# Altium PCB Science.PcbDoc (part 1 of 2) (continued)
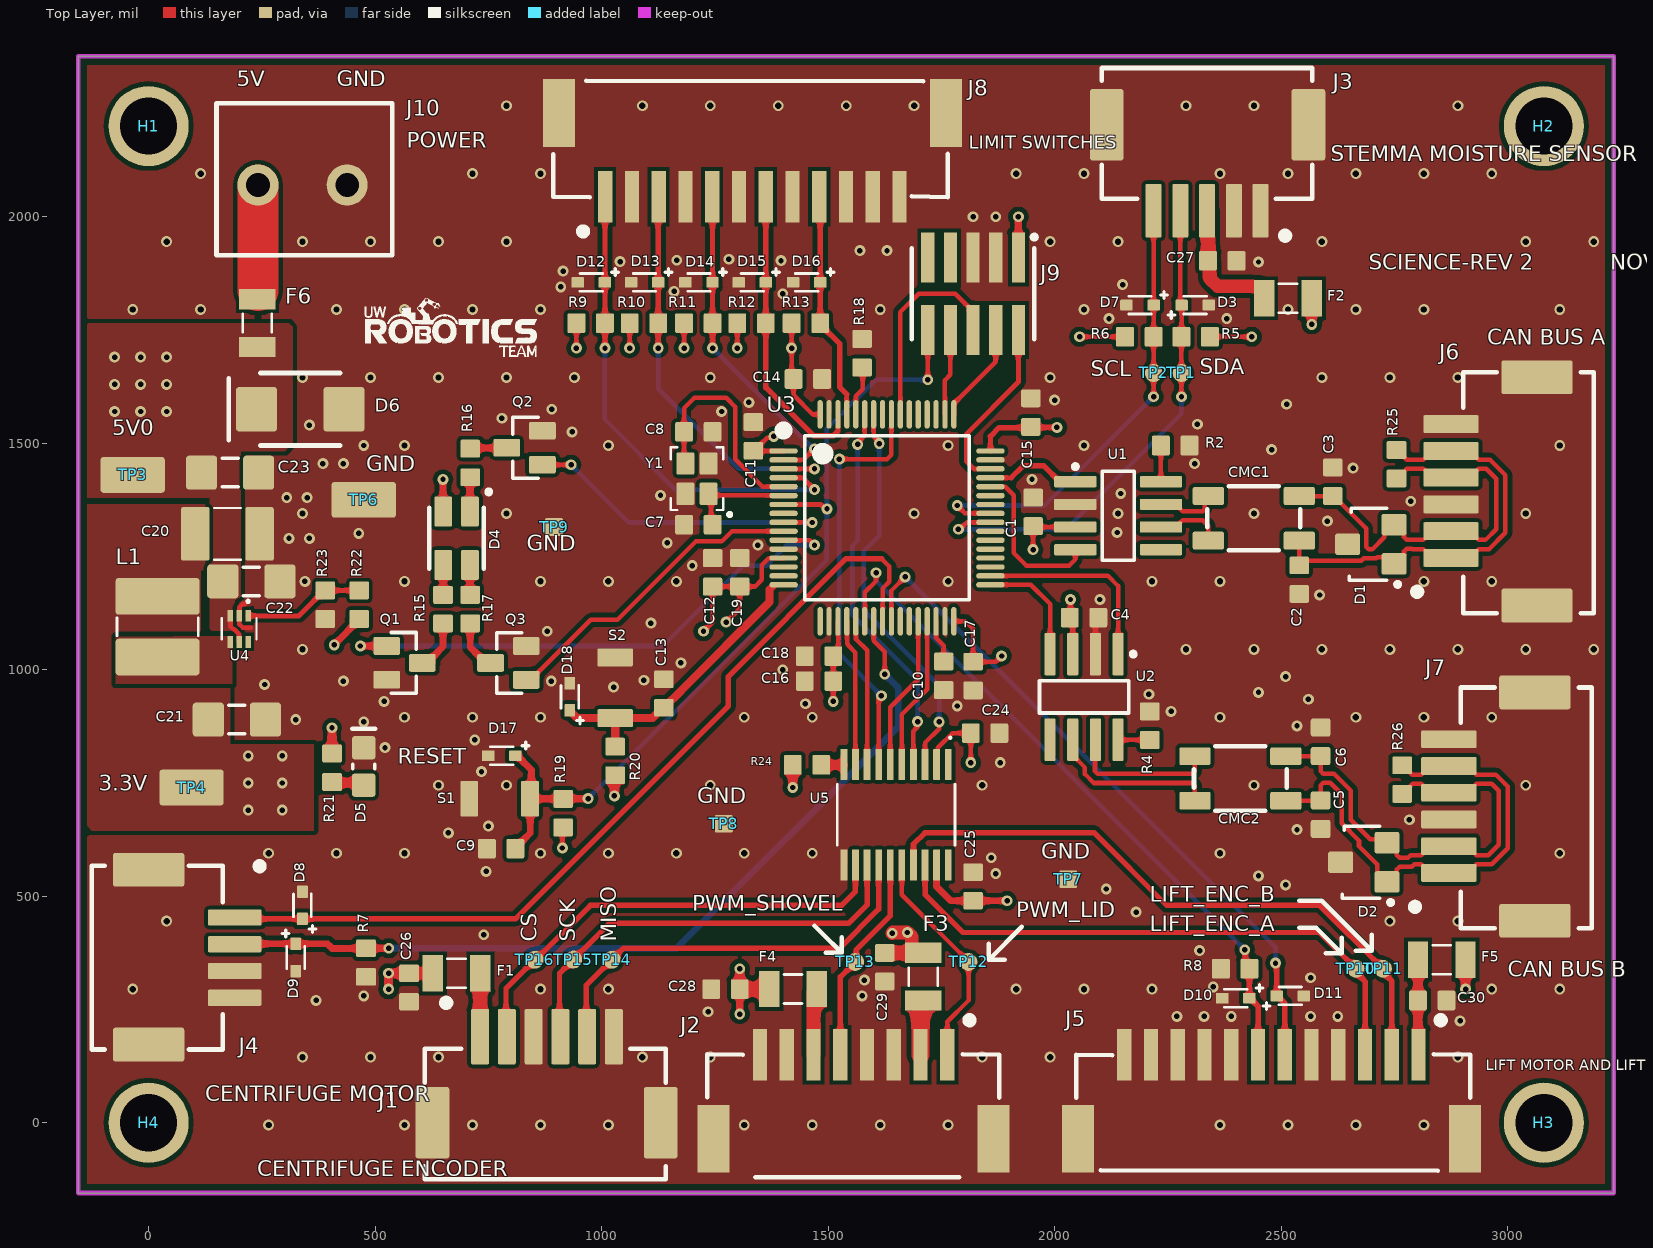
[diagram p0: Top Layer view]
## Components (designator, comment, footprint, x,y, rotation, side; value= is the part's Value field where it differs from the comment)
C1 "CAP_0.1uF_50V_0603" CAP0603 1952.5,1348.5 r90 top value=0.1µF
C2 "CAP_33pF_50V_0603" CAP0603 2540,1199 r90 top value=33pF
C3 "CAP_33pF_50V_0603" CAP0603 2614,1415 r270 top value=33pF
C4 "CAP_0.1uF_50V_0603" CAP0603 2065,1115 r0 top value=0.1µF
C5 "CAP_33pF_50V_0603" CAP0603 2587,680 r90 top value=33pF
C6 "CAP_33pF_50V_0603" CAP0603 2587,841 r270 top value=33pF
C7 "CAP_14pF_50V_0603" CAP0603 1213.5,1320.21 r0 top value=14pF
C8 "CAP_14pF_50V_0603" CAP0603 1213.5,1525.21 r180 top value=14pF
C9 "CAP_1uF_16V_0603" CAP0603 778.34,605 r0 top value=1µF
C10 "CAP_4.7uF_16V_0603" CAP0603 1755,986.7 r90 top value=4.7µF
C11 "CAP_0.1uF_50V_0603" CAP0603 1335,1515 r270 top value=0.1µF
C12 "CAP_1uF_16V_0603" CAP0603 1245,1215 r270 top value=1µF
C13 "CAP_1uF_16V_0603" CAP0603 1137.5,947.5 r270 top value=1µF
C14 "CAP_0.1uF_50V_0603" CAP0603 1455.32,1641.82 r180 top value=0.1µF
C15 "CAP_0.1uF_50V_0603" CAP0603 1947.5,1567.57 r270 top value=0.1µF
C16 "CAP_0.1uF_50V_0603" CAP0603 1480,975 r0 top value=0.1µF
C17 "CAP_0.1uF_50V_0603" CAP0603 1820,986 r90 top value=0.1µF
C18 "CAP_4.7uF_16V_0603" CAP0603 1480,1030 r0 top value=4.7µF
C19 "CAP_10nF_0603" CAP0603 1305,1215 r270 top value=10µF
C20 "CAP_22uF_25V_1210" CAPC3225X270N 174.13,1300 r180 top
C21 "CAP_4.7µF_50V_1206" CAP1206 195,890 r180 top
C22 "CAP_10uF_50V_1206" CAP1206 227.01,1195 r180 top value=10µF
C23 "CAP_4.7µF_50V_1206" CAP1206 180,1435 r180 top
C24 "CAP_0.1uF_50V_0603" CAP0603 1846.5,860 r180 top value=0.1µF
C25 "CAP_0.1uF_50V_0603" CAP0603 1820,521.5 r270 top value=0.1µF
C26 "CAP_0.1uF_50V_0603" CAP0603 575,298.5 r90 top value=0.1µF
C27 "CAP_0.1uF_50V_0603" CAP0603 2370,1902.5 r180 top value=0.1µF
C28 "CAP_0.1uF_50V_0603" CAP0603 1273.5,295 r0 top value=0.1µF
C29 "CAP_0.1uF_50V_0603" CAP0603 1625,343.5 r90 top value=0.1µF
C30 "CAP_0.1uF_50V_0603" CAP0603 2833.5,270 r180 top value=0.1µF
CMC1 "CMC_51uH" 744212510 2439.61,1334.21 r0 top
CMC2 "CMC_51uH" 744212510 2410,760 r0 top
D1 "TVS_DIODE_CAN" TVS_DIODE_CAN 2698,1277 r180 top
D2 "TVS_DIODE_CAN" TVS_DIODE_CAN 2682.5,575 r180 top
D3 "ESD5Z3.3T1G" SOD523_UNI 2310,1805 r180 top
D4 "LED_RGB" LED_RGB 680,1290.21 r180 top
D5 "LG R971-KN-1" LED_0805_GREEN 475,786.55 r90 top
D6 "TVS_DIODE_UNIDIR_5V" SMBJ5.0A 335,1575 r0 top
D7 "ESD5Z3.3T1G" SOD523_UNI 2188.63,1805 r0 top
D8 "ESD5Z3.3T1G" SOD523_UNI 339.68,480 r270 top
D9 "ESD5Z3.3T1G" SOD523_UNI 325,365 r90 top
D10 "ESD5Z3.3T1G" SOD523_UNI 2400,275 r0 top
D11 "ESD5Z3.3T1G" SOD523_UNI 2520,280 r180 top
D12 "ESD5Z3.3T1G" SOD523_UNI 977.5,1855 r0 top
D13 "ESD5Z3.3T1G" SOD523_UNI 1095,1855 r0 top
D14 "ESD5Z3.3T1G" SOD523_UNI 1215,1855 r0 top
D15 "ESD5Z3.3T1G" SOD523_UNI 1332.66,1855 r0 top
D16 "ESD5Z3.3T1G" SOD523_UNI 1452.66,1855 r0 top
D17 "ESD5Z3.3T1G" SOD523_UNI 780,810.21 r0 top
D18 "ESD5Z3.3T1G" SOD523_UNI 930,940.21 r270 top
F1 "FUSE_250mA_1206" FUSE_1206 680,330 r180 top
F2 "FUSE_250mA_1206" FUSE_1206 2515,1820 r0 top
F3 "FUSE_1.5A_1206" FUSE_1206 1710,322.5 r270 top
F4 "FUSE_1.5A_1206" FUSE_1206 1422.5,295.21 r0 top
F5 "FUSE_250mA_1206" FUSE_1206 2854.51,360 r0 top
F6 "FUSE_8A_1206" FUSE_1206 240,1765 r270 top
H1 "MOUNTING_HOLE_M3" MOUNTING_HOLE_3mm_SCIENCE_REV2 0,2200 r0 top
H2 "MOUNTING_HOLE_M3" MOUNTING_HOLE_3mm_SCIENCE_REV2 3080,2200 r0 top
H3 "MOUNTING_HOLE_M3" MOUNTING_HOLE_3mm_SCIENCE_REV2 3080,0 r0 top
H4 "MOUNTING_HOLE_M3" MOUNTING_HOLE_3mm_SCIENCE_REV2 0,0 r0 top
J1 "CON_6M_SM_RA_1.5mm" MOLEX-5025850670 731.89,190 r180 top
J2 "CON_8M_SM_RA" MOLEX-5025850870 1349.72,150 r180 top
J3 "CON_5M_SM_RA" MOLEX-5025850570 2454.69,2013.24 r0 top
J4 "CON_4M_SM_RA" MOLEX-5025850470 190,453.11 r90 top
J5 "CON_12M_SM_RA" MOLEX-5025851270 2153.78,150 r180 top
J6 "CON_6M_SM_RA_1.5mm" MOLEX-5025850670 2875,1246.89 r270 top
J7 "CON_6M_SM_RA_1.5mm" MOLEX-5025850670 2870.24,551.38 r270 top
J8 "CON_12M_SM_RA" MOLEX-5025851270 1657.64,2043.96 r0 top
J9 "CON_PROGRAMMING" FTSH-105-01-F-DV-K-P-TR 1820,1830 r180 top
J10 "1935161" 1935161 340,2070 r180 top
L1 "IND_1uH_3.8A" IND_BOURNS_SDR04 20,1095 r90 top value=1uH
Q1 "NMOS_30V_2.2A" NMOS_SSOT-3 565,1015.21 r270 top
Q2 "NMOS_30V_2.2A" NMOS_SSOT-3 830,1490 r90 top
Q3 "NMOS_30V_2.2A" NMOS_SSOT-3 794.37,1015 r90 top
R2 "RES_0Ω_0603" RESC0603(1608)_N 2297.5,1495 r180 top value=0¥Ø
R4 "RES_0Ω_0603" RESC0603(1608)_N 2210,907.99 r270 top value=0¥Ø
R5 "RES_1kΩ_0603" RESC0603(1608)_N 2279.79,1735 r0 top value=1k¥Ø
R6 "RES_1kΩ_0603" RESC0603(1608)_N 2218.46,1735 r180 top value=1k¥Ø
R7 "RES_10kΩ_0603" RESC0603(1608)_N 480,322.22 r90 top value=10k¥Ø
R8 "RES_10kΩ_0603" RESC0603(1608)_N 2367.01,340 r0 top value=10k¥Ø
R9 "RES_10kΩ_0603" RESC0603(1608)_N 1007.5,1765 r180 top value=10k¥Ø
R10 "RES_10kΩ_0603" RESC0603(1608)_N 1125,1765.21 r180 top value=10k¥Ø
R11 "RES_10kΩ_0603" RESC0603(1608)_N 1245,1765 r180 top value=10k¥Ø
R12 "RES_10kΩ_0603" RESC0603(1608)_N 1362.5,1765 r180 top value=10k¥Ø
R13 "RES_10kΩ_0603" RESC0603(1608)_N 1482.5,1765 r180 top value=10k¥Ø
R15 "RES_20Ω_0603" RESC0603(1608)_N 650,1165.21 r270 top value=20¥Ø
R16 "RES_120Ω_0603" RESC0603(1608)_N 710,1487.99 r270 top value=120¥Ø
R17 "RES_20Ω_0603" RESC0603(1608)_N 710,1165.21 r270 top value=20¥Ø
R18 "RES_1kΩ_0603" RESC0603(1608)_N 1575,1667.01 r90 top value=1k¥Ø
R19 "RES_10kΩ_0603" RESC0603(1608)_N 915,715 r270 top value=10k¥Ø
R20 "RES_10kΩ_0603" RESC0603(1608)_N 1030,830.21 r270 top value=10k¥Ø
R21 "RES_120Ω_0603" RESC0603(1608)_N 405,752.22 r90 top value=120¥Ø
R22 "RES_453kΩ_0603" RESC0603(1608)_N 465,1175 r270 top value=453k¥Ø
R23 "RES_100kΩ_0603_1%" RESC0603(1608)_N 390,1112.01 r90 top value=100k¥Ø
R24 "RES_10kΩ_0603" RESC0603(1608)_N 1422.01,790 r0 top value=10k¥Ø
R25 "RES_120Ω_0603" RESC0603(1608)_N 2754.59,1422.01 r90 top value=120¥Ø
R26 "RES_120Ω_0603" RESC0603(1608)_N 2767,726.01 r90 top value=120¥Ø
S1 "SW_TACTILE" B3U-1000P 775,715.21 r180 top
S2 "SW_TACTILE" B3U-1000P 1030,960.21 r270 top
TP1 "TESTPOINT_1MM_CIRCLE" TESTPOINT_CIRCLE_1MM 2279.79,1655 r180 top
TP2 "TESTPOINT_1MM_CIRCLE" TESTPOINT_CIRCLE_1MM 2218.46,1655 r180 top
TP3 "TESTPOINT_SMD_LOOP" S1751-46R -35,1430 r0 top
TP4 "TESTPOINT_SMD_LOOP" S1751-46R 95,740 r0 top
TP6 "TESTPOINT_SMD_LOOP" S1751-46R 475,1375 r0 top
TP7 "TESTPOINT_1MM_SQUARE" TESTPOINT_SQUARE_1MM 2030,537.5 r90 top
TP8 "TESTPOINT_1MM_SQUARE" TESTPOINT_SQUARE_1MM 1270,660 r90 top
TP9 "TESTPOINT_1MM_SQUARE" TESTPOINT_SQUARE_1MM 895,1315 r90 top
TP10 "TESTPOINT_1MM_CIRCLE" TESTPOINT_CIRCLE_1MM 2665,340 r270 top
TP11 "TESTPOINT_1MM_CIRCLE" TESTPOINT_CIRCLE_1MM 2725,340 r270 top
TP12 "TESTPOINT_1MM_CIRCLE" TESTPOINT_CIRCLE_1MM 1810,355 r270 top
TP13 "TESTPOINT_1MM_CIRCLE" TESTPOINT_CIRCLE_1MM 1560,355 r270 top
TP14 "TESTPOINT_1MM_CIRCLE" TESTPOINT_CIRCLE_1MM 1022.5,360 r270 top
TP15 "TESTPOINT_1MM_CIRCLE" TESTPOINT_CIRCLE_1MM 937.5,360.21 r270 top
TP16 "TESTPOINT_1MM_CIRCLE" TESTPOINT_CIRCLE_1MM 852.5,360 r270 top
U1 "IC TXRX CAN" LT-S8_N 2140.21,1340 r0 top
U2 "IC TXRX CAN" LT-S8_N 2065,940 r270 top
U3 "STM32F446RET6" STM-LQFP64_L 1630,1335.21 r0 top
U4 "TLV62568ADRLR" SOT50P160X60-6N 200,1090.21 r270 top
U5 "TXS0108EPWR" LEVEL_SHIFTER_8_CHANNEL 1650,680 r270 top
Y1 "CRYSTAL_25MHZ" SOIC254P1016X440-4N 1210.59,1421.74 r90 top

## Footprints (in the part's own frame and the unit in brackets; to place one, negate y for a bottom-side part, rotate by r counter-clockwise, add the part's x,y. Pads: shape width x height; smd on the part's side, far side on the other; paste and mask are expansions set on the pad)
1935161 [mm] "TERM BLK 2POS SIDE ENTRY 5MM PCB"
  round 2.3 hole 1.325: 1(-2.5,0) 2(2.5,0)
  silkscreen extent -5.01,-4.57 4.83,3.94, body extent -5.01,-5.06 5.39,3.94, height 11.41
744212510 [mm] "CMC HORIZONTAL 4 J-LEAD"
  rrect20% 1.75x1 smd: 1(-2.55,-1.25) 3(-2.55,1.25) 4(2.55,1.25) 5(2.55,-1.25)
  silkscreen extent -2.6,-1.8 2.6,1.8, body extent -2.6,-1.8 2.6,1.8, height 1.67
B3U-1000P [mm] "TACTILE SWITCH GREY"
  rrect15% 1x2 smd: 1(-1.7,0) 2(1.7,0)
  body extent -2,-1.25 2,1.25, height 1.6
CAP0603 [mm]
  rrect20% 1x1.1 smd: 1(-0.8,0) 2(0.8,0)
  body extent -0.87,-0.48 0.88,0.48, height 0.87
CAP1206 [mm] "Chip Capacitor, Body 3.2x1.6mm, Height 0.55mm, IPC Medium Density"
  rrect20% 1.75x1.9 smd: 1(-1.6,0) 2(1.6,0)
  silkscreen extent -0.45,-0.8 0.45,0.8, body extent -1.7,-0.9 1.7,0.9, height 0.88
CAPC3225X270N [mm]
  rrect15% 1.6x3 smd: 1(-1.8,0) 2(1.8,0)
  silkscreen extent -0.75,-1.45 0.75,1.45, body extent -1.6,-1.35 1.6,1.35, height 2.55
FTSH-105-01-F-DV-K-P-TR [mil] "Samtec programming header 10 positions"
  rect 29x110 smd mask+2: 1(-100,-80) 2(-100,80) 3(-50,-80) 4(-50,80) 5(0,-80) 6(0,80) 7(50,-80) 8(50,80) 9(100,-80) 10(100,80)
  silkscreen extent -140,-130 135,100, body extent -125,-115 125,175, height 276
FUSE_1206 [mil]
  rect 45x80 smd mask+1: 1(-52.5,0) 2(52.5,0)
  silkscreen extent -20,-32 20,32, body extent -65,-32 65,32, height 32
IND_BOURNS_SDR04 [mm] "SDR0403 Series - SMD Power Inductors"
  rrect15% 2.05x4.7 smd paste+0 mask+0.102: 1(-1.7,0) 2(1.7,0)
  silkscreen extent -0.5,-2.27 0.5,2.27, body extent -2.25,-2.25 2.25,2.25, height 3.2
LED_0805_GREEN [mm] "SMD, 2-Leads, Body 2x1.25mm"
  rrect20% 1.3x1.3 smd: 1(-1.05,0) 2(1.05,0)
  silkscreen extent -0.13,-0.63 2.11,0.64, body extent -1,-0.62 1,0.63, height 1.12
LED_RGB [mm]
  rrect20% 1x1.7 smd: 1(-0.75,-1.5) 2(-0.75,1.5) 3(0.75,1.5) 4(0.75,-1.5)
  silkscreen extent -1.92,-2.72 1.53,1.7, body extent -1.4,-1.75 1.4,1.75, height 1.89
LEVEL_SHIFTER_8_CHANNEL [mm]
  rrect15% 1.75x0.38 smd: 1(-2.819,2.925) 2(-2.819,2.275) 3(-2.819,1.625) 4(-2.819,0.975) 5(-2.819,0.325) 6(-2.819,-0.325) 7(-2.819,-0.975) 8(-2.819,-1.625) 9(-2.819,-2.275) 10(-2.819,-2.925) 11(2.819,-2.925) 12(2.819,-2.275) 13(2.819,-1.625) 14(2.819,-0.975) 15(2.819,-0.325) 16(2.819,0.325) 17(2.819,0.975) 18(2.819,1.625) 19(2.819,2.275) 20(2.819,2.925)
  silkscreen extent -4.32,-3.3 1.71,3.3, body extent -3.3,-3.3 3.3,3.3, height 1.2
LT-S8_N [mm] "SOP, 8-Leads, Body 4.9x3.9mm, Pitch 1.27mm, IPC Medium Density"
  rrect20% 2.375x0.625 smd: 1(-2.4,1.905) 2(-2.4,0.635) 3(-2.4,-0.635) 4(-2.4,-1.905) 5(2.4,-1.905) 6(2.4,-0.635) 7(2.4,0.635) 8(2.4,1.905)
  silkscreen extent -2.52,-2.5 0.9,2.88, body extent -2.91,-2.4 2.87,2.5, height 1.45
MOLEX-5025850470 [mm] "CLIK-Mate, Surface Mount, Right Angle, 1.5mm pitch"
  rrect15% 1.9x4 smd: 0(-7.125,4.82) 0(2.675,4.82)
  rrect15% 0.9x3 smd: 1(0,0) 2(-1.5,0) 3(-3,0) 4(-4.5,0)
  silkscreen extent -7.4,-1.6 3.07,8, body extent -7.45,-0.62 2.85,7.88, height 6.41
MOLEX-5025850570 [mm]
  rrect15% 1.9x4 smd: 0(-8.625,4.82) 0(2.675,4.82)
  rrect15% 0.9x3 smd: 1(0,0) 2(-1.5,0) 3(-3,0) 4(-4.5,0) 5(-6,0)
  silkscreen extent -8.9,-1.6 2.9,8, body extent -8.9,-0.5 2.9,8, height 6.21
MOLEX-5025850670 [mm]
  rrect15% 1.9x4 smd: 0(-10.125,4.82) 0(2.675,4.82)
  rrect15% 1x3.1 smd: 1(0,0) 2(-1.5,0) 3(-3,0) 4(-4.5,0) 5(-6,0) 6(-7.5,0)
  silkscreen extent -10.4,-2.1 3.1,8, body extent -10.25,-0.62 3.05,7.88, height 6.41
MOLEX-5025850870 [mm]
  rect 1.8x3.8 smd: 0(-13.1,4.7) 0(2.6,4.7)
  rect 0.8x2.9 smd: 1(-10.5,0) 2(-9,0) 3(-7.5,0) 4(-6,0) 5(-4.5,0) 6(-3,0) 7(-1.5,0) 8(0,0)
  silkscreen extent -13.4,-2.14 2.97,6.86, body extent -13.23,-1.26 3.07,7.24, height 6.41
MOLEX-5025851270 [mm]
  rect 1.8x3.8 smd: 0(-19.1,4.7) 0(2.6,4.7)
  rect 0.8x2.9 smd: 1(-16.5,0) 2(-15,0) 3(-13.5,0) 4(-12,0) 5(-10.5,0) 6(-9,0) 7(-7.5,0) 8(-6,0) 9(-4.5,0) 10(-3,0) 11(-1.5,0) 12(0,0)
  silkscreen extent -19.4,-2.14 2.69,6.5, body extent -19.35,-1.1 2.95,7.4, height 6.41
MOUNTING_HOLE_3mm_SCIENCE_REV2 [mm] "3mm Hole"
  round 4.5 / inner round 4.5 / far side round 6 hole 3.2 mask+0.3: 0(0,0)
NMOS_SSOT-3 [mm]
  rrect20% 1x1.5 smd: 1(-0.95,-1) 2(0.95,-1) 3(0,1)
  silkscreen extent -1.7,-0.75 1.7,0.66, body extent -1.46,-1.41 1.46,1.1, height 1.12
RESC0603(1608)_N [mm] "Chip Resistor, Body 1.6x0.8mm, IPC Medium Density"
  rrect15% 1x1.1 smd: 1(0,0) 2(1.6,0)
  body extent 0,-0.4 1.6,0.4, height 0.46
S1751-46R [mm] "SMD LOOP TESTPOINT"
  rrect15% 3.6x2 smd: 1(0,0)
  body extent -1.63,-0.85 1.62,0.8, height 2.01
SMBJ5.0A [mm] "9.2V Clamp 65.3A Ipp Tvs Diode Surface Mount SMB (DO-214AA)"
  rrect15% 2.3x2.5 smd: 1(-2.45,0) 2(2.45,0)
  silkscreen extent -4,-2.03 2.25,2.03, body extent -2.7,-1.8 2.7,1.8, height 2.27
SOD523_UNI [mm]
  rrect15% 0.7x0.6 smd: 1(-0.762,0) 2(0.758,0)
  silkscreen extent -0.64,-0.5 1.52,0.76, body extent -0.8,-0.4 0.8,0.4, height 0.7
SOIC254P1016X440-4N [mm]
  rrect15% 1.25x1 smd: 1(-0.85,-0.65) 2(0.85,-0.65) 3(0.85,0.65) 4(-0.85,0.65)
  silkscreen extent -2.11,-1.93 1.75,1.47, body extent -1.24,-0.85 1.24,0.85, height 0.56
SOT50P160X60-6N [mm]
  rect 0.66x0.31 smd: 1(-0.735,0.5) 2(-0.735,0) 3(-0.735,-0.5) 4(0.735,-0.5) 5(0.735,0) 6(0.735,0.5)
  silkscreen extent -1.62,-0.97 0.6,0.97, body extent -0.8,-0.8 0.8,0.8, height 0.6
STM-LQFP64_L [mm] "QFP, 64-Leads, Body 10x10mm, Pitch 0.5mm, IPC High Density"
  oval 1.6x0.3 smd: 1(-5.8,3.75) 2(-5.8,3.25) 3(-5.8,2.75) 4(-5.8,2.25) 5(-5.8,1.75) 6(-5.8,1.25) 7(-5.8,0.75) 8(-5.8,0.25) 9(-5.8,-0.25) 10(-5.8,-0.75) 11(-5.8,-1.25) 12(-5.8,-1.75) 13(-5.8,-2.25) 14(-5.8,-2.75) 15(-5.8,-3.25) 16(-5.8,-3.75) 33(5.8,-3.75) 34(5.8,-3.25) 35(5.8,-2.75) 36(5.8,-2.25) 37(5.8,-1.75) 38(5.8,-1.25) 39(5.8,-0.75) 40(5.8,-0.25) 41(5.8,0.25) 42(5.8,0.75) 43(5.8,1.25) 44(5.8,1.75) 45(5.8,2.25) 46(5.8,2.75) 47(5.8,3.25) 48(5.8,3.75)
  oval 0.3x1.6 smd: 17(-3.75,-5.8) 18(-3.25,-5.8) 19(-2.75,-5.8) 20(-2.25,-5.8) 21(-1.75,-5.8) 22(-1.25,-5.8) 23(-0.75,-5.8) 24(-0.25,-5.8) 25(0.25,-5.8) 26(0.75,-5.8) 27(1.25,-5.8) 28(1.75,-5.8) 29(2.25,-5.8) 30(2.75,-5.8) 31(3.25,-5.8) 32(3.75,-5.8) 49(3.75,5.8) 50(3.25,5.8) 51(2.75,5.8) 52(2.25,5.8) 53(1.75,5.8) 54(1.25,5.8) 55(0.75,5.8) 56(0.25,5.8) 57(-0.25,5.8) 58(-0.75,5.8) 59(-1.25,5.8) 60(-1.75,5.8) 61(-2.25,5.8) 62(-2.75,5.8) 63(-3.25,5.8) 64(-3.75,5.8)
  silkscreen extent -5.92,-4.6 4.6,5.02, body extent -5.98,-6 6.02,6, height 1.56
TESTPOINT_CIRCLE_1MM [mm]
  round 1 smd: 1(0,0)
TESTPOINT_SQUARE_1MM [mm]
  rrect20% 1x1 smd: 1(0,0)
TVS_DIODE_CAN [mm] "SOT23, 3-Leads, Body 2.95x2.80mm, Pitch 0.95mm, IPC Low Density"
  rrect20% 1.4x1.2 smd: 1(-1.3,1.1) 2(-1.3,-1.1) 3(1.3,0)
  silkscreen extent -1.63,-2.02 1.22,2.37, body extent -1.4,-1.45 1.4,1.45, height 1.3

## Part data
C1 C4 C11 C14 C15 C16 C17 C24 C25 C26 C27 C28 C29 C30: "CAP CER 0.1UF 50V X7R 0603", Case Code (Imperial)=0603, Case Code (Metric)=1608, Dielectric=X7R, Manufacturer 1=Yageo, Manufacturer Part Number 1=CC0603KRX7R9BB104, Package="0603 (1608 Metric)", Supplier Part Number 1=311-1344-1-ND, Voltage Rating=50V, Dimensions="0.063\" L x 0.031\" W (1.60mm x 0.80mm)", Mount="Surface Mount", Supplier 1=Digi-Key, Temperature Coefficient=X7R
C2 C3 C5 C6: "CAP CER 33PF 50V C0G/NP0", Case Code (Imperial)=0603, Case Code (Metric)=1608, Dielectric=C0G, Dielectric Material=Ceramic, Insulation Resistance=100GR, Manufacturer 1=Yageo, Manufacturer Part Number 1=CC0603JRNPO9BN330, Max Operating Temperature=125°C, Min Operating Temperature=-55°C, Supplier Part Number 1=311-1064-1-ND, Temperature Coefficient=30ppm/°C, Tolerance=5%, Voltage=50V, ComponentLink7Description=https://datasheet.ciiva.com/11464/upy-gp-np0-16v-to-50v-8-11464730.pdf?src-supplier=Avnet, ComponentLink7URL=https://datasheet.ciiva.com/11464/upy-gp-np0-16v-to-50v-8-11464730.pdf?src-supplier=Avnet, ComponentLink8Description=https://datasheet.ciiva.com/46430/1835847-46430155.pdf?src-supplier=Element14, ComponentLink8URL=https://datasheet.ciiva.com/46430/1835847-46430155.pdf?src-supplier=Element14, ComponentLink9Description=https://datasheet.ciiva.com/144/mlccorderingcode-144644.pdf?src-supplier=Digi-Key, ComponentLink9URL=https://datasheet.ciiva.com/144/mlccorderingcode-144644.pdf?src-supplier=Digi-Key, ComponentLink10Description=https://datasheet.ciiva.com/5426/upy-gp-np0-16v-to-50v-8-5426614.pdf?src-supplier=Mouser, ComponentLink10URL=https://datasheet.ciiva.com/5426/upy-gp-np0-16v-to-50v-8-5426614.pdf?src-supplier=Mouser, ComponentLink11Description=https://datasheet.ciiva.com/7978/1443161-7978142.pdf?src-supplier=Element14, ComponentLink11URL=https://datasheet.ciiva.com/7978/1443161-7978142.pdf?src-supplier=Element14, Composition=Ceramic, Depth=0.8mm, Height=0.8mm, Length=1.6mm, Mount="Surface Mount", Number of Pins=2, Package=0603, REACH SVHC="No SVHC", Supplier 1=Digi-Key, Termination=SMD/SMT, Thickness=0.035inch, Voltage Rating=50V, Voltage Rating (DC)=50V, Width=0.031inch
C7 C8: "CAP CER 14PF 50V C0G/NP0 0603", Case Code (Imperial)=0603, Case Code (Metric)=1608, Dielectric=C0G, Manufacturer 1=Samsung, Manufacturer Part Number 1=CL10C140JB8NNNC, Max Operating Temperature=125°C, Min Operating Temperature=-55°C, Package="0603 (1608 Metric)", Supplier Part Number 1=1276-2187-1-ND, Tolerance=5%, Voltage Rating=50V, Depth=0.8mm, Height=0.8mm, Length=1.6mm, Mount="Surface Mount", Supplier 1=Digi-Key, Thickness=0.035inch, Voltage Rating (DC)=50V, Width=0.031inch
C9 C12 C13: "CAP CER 1UF 16V Y5V 0603", Case Code (Imperial)=0603, Case Code (Metric)=1608, Dielectric=Y5V, Manufacturer 1=Yageo, Manufacturer Part Number=CC0603ZRY5V7BB105, Package="0603 (1608 Metric)", Supplier Part Number 1=311-1372-1-ND, Voltage Rating=16V, Dimensions="0.063\" L x 0.031\" W (1.60mm x 0.80mm)", Manufacturer Part Number 1=CC0603ZRY5V7BB105, Mount="Surface Mount", Supplier 1=Digi-Key, Temperature Coefficient=Y5V
C10 C18: "CAP CER 4.7UF 16V X6S 0603", Case Code (Imperial)=0603, Dielectric=X6S, Manufacturer 1="Murata Electronics", Manufacturer Part Number 1=GRM188C81C475KE11D, Package="0603 (1608 Metric)", Supplier Part Number 1=490-13362-1-ND, Voltage Rating=16V, Mount="Surface Mount", Supplier 1=Digi-Key
C19: "CAP CER 10000PF 16V X7R 0603", Case Code (Imperial)=0603, Case Code (Metric)=1608, Dielectric=X7R, Manufacturer 1=Yageo, Manufacturer Part Number 1=CC0603KRX7R7BB103, Package="0603 (1608 Metric)", Supplier Part Number 1=311-3369-1-ND, Voltage Rating=16V, Dimensions="0.063\" L x 0.031\" W (1.60mm x 0.80mm)", Mount="Surface Mount", Supplier 1=Digi-Key, Temperature Coefficient=X7R
C20: "CAP CER 22UF 25V X7R 1210", Capacitance=22uF, Manufacturer 1="Murata Electronics", Manufacturer Part Number 1=GRM32ER71E226ME15K, Package="1210 (3225 Metric)", Supplier Part Number 1=490-14682-1-ND, Temperature Coefficient=X7R, Tolerance=?0%, Voltage=25V, Supplier 1=Digi-Key
C21 C23: "CAP CER 4.7UF 50V X7R 1206", Capacitance=4.7uF, Dielectric=X7R, Manufacturer 1=Murata, Manufacturer Part Number 1=GRM31CR71H475KA12L, Max Operating Temperature=125°C, Min Operating Temperature=-55°C, Package=1206, Supplier Part Number 1=490-6521-1-ND, Tolerance=10%, Voltage=50V, Material=Ceramic, Mount="Surface Mount", Supplier 1=Digi-Key, Termination=SMD/SMT, Voltage Rating=50V
C22: "CAP CER 10UF 50V X5R 1206", Case Code (Imperial)=1206, Case Code (Metric)=3216, Dielectric=X5R, Manufacturer 1=Murata, Manufacturer Part Number 1=GRT31CR61H106KE01L, Package="1206 (3216 Metric)", Supplier Part Number 1=490-12456-1-ND, Voltage Rating=50V, Dimensions="0.126\" L x 0.063\" W (3.20mm x 1.6mm)", Manufacturer Part Numer 1=GRT31CR61H106KE01L, Mount="Surface Mount", Supplier 1=Digi-Key
CMC1 CMC2: "CMC 51uH 300MA 2LN SMD", Case/Package=SMD/SMT, Current=300mA, DC Resistance (DCR)=160mR, Inductance=51uH, Inductance Tolerance=50%, Manufacturer 1="Wurth Electronics", Manufacturer Part Number 1=744212510, Max Operating Temperature=105°C, Min Operating Temperature=-40°C, Supplier Part Number 1=732-3941-1-ND, Test Frequency=100kHz, Voltage Rating (DC)=80V, ComponentLink7Description=https://datasheet.ciiva.com/6216/744212510-6216348.pdf?src-supplier=Digi-Key, ComponentLink7URL=https://datasheet.ciiva.com/6216/744212510-6216348.pdf?src-supplier=Digi-Key, ComponentLink8Description=https://datasheet.ciiva.com/7764/1735560-7764951.pdf?src-supplier=Element14, ComponentLink8URL=https://datasheet.ciiva.com/7764/1735560-7764951.pdf?src-supplier=Element14, Core Material=Ferrite, Current Rating=300mA, Depth=3.6mm, Height=1.65mm, Impedance=300R, Length=6.5mm, Max DC Current=300mA, Mount="Surface Mount", Number of Lines=2, Number of Pins=4, REACH SVHC="No SVHC", Supplier 1=Digi-Key, Termination=SMD/SMT, Tolerance=50%, Width=0.142inch
D1 D2: "TVS DIODE 24V 41V SOT323-3", Manufacturer 1="Nexperia USA Inc.", Manufacturer Part Number 1=PESD2CAN,215, Package="SC-70, SOT-323", Supplier Part Number 1=1727-3891-1-ND, Mount="Surface Mount", Supplier 1=Digi-Key
D3 D7 D8 D9 D10 D11 D12 D13 D14 D15 D16 D17 D18: "ESD5Z3.3T1G,SOD523 ESD DIODE < AZ", Breakdown Voltage=5V, Capacitance=105pF, Case/Package=SOD-523-2, Clamping Voltage=14.1V, Leakage Current=50nA, Manufacturer 1="ON Semiconductor", Max Operating Temperature=150°C, Max Power Dissipation=200mW, Max Surge Current=11.2A, Min Operating Temperature=-55°C, Operating Supply Voltage=3.3V, Peak Pulse Power=158W, Power Line Protection=No, Supplier Part Number 1=ESD5Z3.3T1GOSCT-ND, Test Current=1mA, Category="ESD and Circuit Protection ICs", ComponentLink7Description=https://datasheet.ciiva.com/3304/esd5z2-5t1-d-3304008.pdf?src-supplier=Avnet, ComponentLink7URL=https://datasheet.ciiva.com/3304/esd5z2-5t1-d-3304008.pdf?src-supplier=Avnet, ComponentLink8Description=https://datasheet.ciiva.com/339/esd5z2-5t1-d-339753.pdf?src-supplier=Digi-Key, ComponentLink8URL=https://datasheet.ciiva.com/339/esd5z2-5t1-d-339753.pdf?src-supplier=Digi-Key, ComponentLink9Description=https://datasheet.ciiva.com/22637/1878252-22637179.pdf?src-supplier=Element14, ComponentLink9URL=https://datasheet.ciiva.com/22637/1878252-22637179.pdf?src-supplier=Element14, ComponentLink10Description=https://datasheet.ciiva.com/16472/esd5z2-5t1-d-16472397.pdf?src-supplier=Avnet+Asia, ComponentLink10URL=https://datasheet.ciiva.com/16472/esd5z2-5t1-d-16472397.pdf?src-supplier=Avnet+Asia, ComponentLink11Description=https://datasheet.ciiva.com/22637/1878252-22637181.pdf?src-supplier=Element14, ComponentLink11URL=https://datasheet.ciiva.com/22637/1878252-22637181.pdf?src-supplier=Element14, Composition=Zener, Contact Plating=Tin,Matte, Depth=0.8mm, Direction=Unidirectional, Element Configuration=Single, ESD Protection=Yes, Halogen Free="Halogen Free", Height=0.6mm, Length=1.2mm, Manufacturer Part Number 1=ESD5Z3.3T1G, Max Breakdown Voltage=5V, Max Reverse Leakage Current=50nA, Min Breakdown Voltage=5V, Number of Channels=1, Number of Elements=1, Number of Lines=1, Number of Pins=2, Number of Unidirectional Channels=1, Peak Pulse Current=11.2A, Polarity=Unidirectional, REACH SVHC="No SVHC", Reverse Breakdown Voltage=5V, Reverse Standoff Voltage=3.3V, Supplier 1=Digi-Key, Termination=SMD/SMT, Width=0.8mm, Working Voltage=3.3V
D4: "LED RGB DIFFUSED 4PLCC SMD", Case/Package=PLCC, Color=Blue,Green,Red, Forward Voltage=3.1V, Lens Color=White, Manufacturer 1=Broadcom, Manufacturer Part Number 1=ASMB-MTB1-0A3A2, Supplier Part Number 1=516-3280-1-ND, Test Current=20mA, Dominant Wavelength=470nm, Height=1.9mm, Length=3.2mm, Lens Style=Round, Lens Transparency=Diffused, Luminous Intensity=350mcd, Mount="Surface Mount", Number of Pins=4, REACH SVHC="No SVHC", Supplier 1=Digi-Key, Viewing Angle=115?ISIMPORTED=TRUE, Width=2.8mm
D5: library part DIO_LED_G, "LED GREEN DIFFUSED 0805 SMD", Forward Voltage Drop=2.2V, Manufacturer 1=OSRAM, Package="0805 (2012 Metric)", Supplier Part Number 1=475-1410-1-ND, Manufacturer Part Number 1="LG R971-KN-1", Mount="Surface Mount", Supplier 1=Digi-Key
D6: "TVS DIODE 5V 9.2V DO214AA", Breakdown Voltage=7.25V, Clamping Voltage=9.2V, Leakage Current=800uA, Manufacturer 1=Bourns, Manufacturer Part Number 1=SMBJ5.0A, Max Operating Temperature=150°C, Max Power Dissipation=600W, Max Surge Current=100A, Min Breakdown Voltage=6.4V, Min Operating Temperature=-55°C, Operating Supply Voltage=3.5V, Peak Pulse Current=65.2A, Power Line Protection=No, Reverse Standoff Voltage=5V, Supplier Part Number 1=SMBJ5.0ABCT-ND, Test Current=10mA, Composition=Zener, Max Breakdown Voltage=7.25V, Max Reverse Leakage Current=800uA, Mount="Surface Mount", Number of Channels=1, Number of Pins=2, Peak Pulse Power=600W, Polarity=Unidirectional, Reverse Breakdown Voltage=6.4V, Supplier 1=Digi-Key
F1 F2 F5: "FUSE SMD 250mA 125V", Case Code (Imperial)=1206, Case Code (Metric)=3216, Current=250mA, DC Cold Resistance=31mR, Fuse Current=15A, Manufacturer 1=Littelfuse, Manufacturer Part Number 1=0466.250NR, Manufacturer Part Number 2=0324015.HXP, Max Operating Temperature=90°C, Min Operating Temperature=-55°C, Power Dissipation=157.5mW, Resistance=5.05mR, Supplier Part Number 1=F1452CT-ND, Voltage Rating (AC)=125V, Working Voltage=250V, Approvals=UL,CSA, Case/Package=1206, Current Rating=250mA, Depth=1.52mm, Diameter=6.985mm, Fuse Type="Board Mount (Cartridge Style Excluded)", Height=0.023inch, Housing Material=Ceramic, Length=3.18mm, Manufacturer 2=Littelfuse, Mount="Surface Mount", Pricing 2="1=1.74000, 5=1.65600, 10=1.57300, 50=1.26960, 100=1.07640, 250=1.04880, 500=0.88320, 1000=0.78660, 5000=0.69000 (USD)", REACH SVHC=Unknown, Stock 2=64, Supplier 1=Digi-Key, Supplier 2=Digi-Key, Supplier Part Number 2=F1870-ND, Termination=Axial, Voltage Rating (DC)=125V, Width=0.06inch
F3 F4: "FUSE SMD 1.5A 63V", Case Code (Imperial)=1206, Case Code (Metric)=3216, Current=1.5A, DC Cold Resistance=31mR, Manufacturer 1=Littelfuse, Manufacturer Part Number 1=046601.5NR, Max Operating Temperature=90°C, Min Operating Temperature=-55°C, Power Dissipation=157.5mW, Supplier Part Number 1=F1462CT-ND, Voltage Rating (AC)=63V, Approvals=UL,CSA, Case/Package=1206, Current Rating=1.5A, Depth=1.52mm, Fuse Type="Board Mount (Cartridge Style Excluded)", Height=0.023inch, Housing Material=Ceramic, Length=3.18mm, Mount="Surface Mount", Supplier 1=Digi-Key, Voltage Rating (DC)=63V, Width=0.06inch
F6: "FUSE SMD 8A 24V", Case Code (Imperial)=1206, Case Code (Metric)=3216, Current=8A, DC Cold Resistance=31mR, Manufacturer 1=Littelfuse, Manufacturer Part Number 1=0469008.WR, Max Operating Temperature=90°C, Min Operating Temperature=-55°C, Power Dissipation=157.5mW, Supplier Part Number 1=F3542CT-ND, Voltage Rating (AC)=24V, Approvals=UL,CSA, Case/Package=1206, Current Rating=8A, Depth=1.52mm, Fuse Type="Board Mount (Cartridge Style Excluded)", Height=0.023inch, Housing Material=Ceramic, Length=3.18mm, Mount="Surface Mount", Supplier 1=Digi-Key, Voltage Rating (DC)=24V, Width=0.06inch
H1 H2 H3 H4: library part MOUNTING_HOLE_M3_SCIENCE_REV2, "MOUNTING_HOLE_M3 Science Rev2"
J1 J6 J7: "CONN HEADER SMD RIGHT ANGLE 1.5 MM PITCH", Manufactor Number=502585-0670, Manufacturer=Molex, Supplier Part Number 1=WM12832CT-ND, Family=CLIK-Mate, Supplier 1=Digi-Key
J2: "CONN HEADER SMD RIGHT ANGLE 1.5 MM PITCH", Case/Package=SIL, Color=Beige, Contact Resistance=20mR, Current Rating=2A, Manufacturer=Molex, Manufacturer Part Number=5025850870, Max Operating Temperature=85°C, Min Operating Temperature=-40°C, Supplier Part Number 1=WM14471CT-ND, Voltage Rating=100V, Category="Headers and Wire Housings", Connector Type="Receptacle,Center Strip Contact", Contact Gender=Female, Contact Material="Copper,Copper Alloy,Tin", Contact Plating=Tin, Depth=7.3mm, Family=CLIK-Mate, Fastening Type=Latch, Gender=Receptacle, Glow Wire Compliant=Non-compliant, Housing Color=Beige, Housing Material=Resin, Length=16.3mm, Mount="Surface Mount", Number of Circuits=8, Number of Contacts=8, Number of Positions=8, Number of Rows=1, Orientation="Right Angle", Pitch=1.5mm, REACH SVHC=Unknown, Supplier 1=Digi-Key, Termination=Solder
J3: "CONN HEADER SMD RIGHT ANGLE 1.5MM PITCH", Current Rating=2A, Manufacturer 1=Molex, Manufacturer Part Number 1=5025850570, Supplier Part Number 1=WM14469CT-ND, Connector Type="Receptacle,Center Strip Contact", Family=CLIK-Mate, Mount="Surface Mount", Number of Circuits=5, Number of Contacts=5, Number of Positions=5, Number of Rows=1, Orientation="Right Angle", Supplier 1=Digi-Key, Termination=Solder
J4: "CONN HEADER SMD RIGHT ANGLE 1.5 MM PITCH", Manufactor Number=5025850470, Manufacturer=Molex, Supplier Part Number 1=WM9449CT-ND, Family=CLIK-Mate, Supplier 1=Digi-Key
J5 J8: "CONN HEADER SMD RIGHT ANGLE 1.5MM PITCH", Case/Package=SIL, Color=Beige, Current Rating=2A, Manufacturer 1=Molex, Manufacturer Part Number 1=502585-1270, Supplier Part Number 1=WM14473CT-ND, Voltage Rating=100V, Connector Type="Receptacle,Center Strip Contact", Contact Gender=Female, Contact Material="Copper Alloy,Copper,Tin", Contact Plating=Tin, Family=CLIK-Mate, Fastening Type=Latch, Gender=Receptacle, Housing Material=Thermoplastic, Mount="Surface Mount", Number of Circuits=12, Number of Contacts=12, Number of Positions=12, Number of Rows=1, Orientation="Right Angle", Pitch=1.5mm, Supplier 1=Digi-Key, Termination=Solder
J9: "Board Connector, 10 Contact(s), 2 Row(s), Male, Straight, 0.05 inch Pitch, Surface Mount Terminal, Locking", Color=Black, Manufacturer 1=Samtec, Manufacturer Part Number 1=FTSH-105-01-F-DV-K, Max Current Rating=1.75A, Max Operating Temperature=125°C, Min Operating Temperature=-55°C, Package Quantity=1, Supplier Part Number 1=SAM8796-ND, Category="Headers and Wire Housings", ComponentLink1Description=https://datasheet.ciiva.com:443/pdfs/VipMasterIC/IC/SAMI/SAMI-S-A0003531380/SAMI-S-A0003531380-1.pdf?src-supplier=IHS+Markit, ComponentLink1URL=https://datasheet.ciiva.com:443/pdfs/VipMasterIC/IC/SAMI/SAMI-S-A0003531380/SAMI-S-A0003531380-1.pdf?src-supplier=IHS+Markit, ComponentLink2Description=https://datasheet.ciiva.com/19461/2046846-19461026.pdf?src-supplier=Jameco, ComponentLink2URL=https://datasheet.ciiva.com/19461/2046846-19461026.pdf?src-supplier=Jameco, ComponentLink3Description=https://datasheet.ciiva.com/16657/ftsh-mt-16657371.pdf?src-supplier=Avnet+Europe, ComponentLink3URL=https://datasheet.ciiva.com/16657/ftsh-mt-16657371.pdf?src-supplier=Avnet+Europe, ComponentLink4Description=https://datasheet.ciiva.com/15195/getdatasheetpartid-133463-15195260.pdf?src-supplier=Verical, ComponentLink4URL=https://datasheet.ciiva.com/15195/getdatasheetpartid-133463-15195260.pdf?src-supplier=Verical, ComponentLink5Description=https://datasheet.ciiva.com/738/ftsh-1xx-xx-xxx-dv-xxx-mkt-738998.pdf?src-supplier=Digi-Key, ComponentLink5URL=https://datasheet.ciiva.com/738/ftsh-1xx-xx-xxx-dv-xxx-mkt-738998.pdf?src-supplier=Digi-Key, ComponentLink6Description=https://datasheet.ciiva.com/10245/ftsh-mt-10245273.pdf?src-supplier=Avnet, ComponentLink6URL=https://datasheet.ciiva.com/10245/ftsh-mt-10245273.pdf?src-supplier=Avnet, Connector Type="Male Pin", Contact Material=Copper,Bronze, Contact Mating Length=0.12inch, Contact Plating=Gold, Depth=3.43mm, Height=3.3mm, Housing Color=Black, Housing Material=Polymer, Lead Free="Lead Free", Length=15.2mm, Mount="Surface Mount", Number of Contacts=10, Number of Positions=10, Number of Rows=2, Orientation=Straight, Packaging=Rail/Tube, Pitch=1.27mm, Pricing 1="1=2.90000, 10=2.78400, 100=2.32000, 500=1.97200, 1000=1.68200, 5000=1.50800 (USD)", Radiation Hardening=No, RoHS=Yes, Row Spacing=0.05inch, Stock 1=19926, Supplier 1=Digi-Key, Termination=Solder
J10: library part CON_2M_TERM, "TERM BLK 2POS SIDE ENTRY 5MM", Color=Green, Current=18A, Current Rating=17.5A, Flammability Rating="UL94 V-0", Manufacturer 1="Phoenix Contact", Max Current Rating=16A, Max Supply Voltage=250V, Supplier Part Number 1=277-1667-ND, Voltage=300V, Voltage Rating (DC)=320V, Approvals=UL, Connector Type=Screw, Contact Material=Copper,Tin, Depth=9mm, Height=11.3mm, Housing Color=Green, Housing Material=Polyamide, Insulation Material=Nylon, Length=9mm, Manufacturer Part Number 1=1935161, Material=Nylon, Mount="Through Hole", Number of Circuits=2, Number of Contacts=2, Number of Levels=1, Number of Pins=2, Number of Poles=2, Number of Positions=2, Number of Positions Per Level=2, Number of Rows=1, Orientation=Straight, Pitch=5mm, REACH SVHC=Unknown, Supplier 1=Digi-Key, Termination=Solder, Voltage Rating=250V, Weight=0.067021oz, Width=14.9mm, Wire Gauge (Max)=26AWG, Wire Gauge (Min)=12AWG, Wire/Cable Gauge=26AWG
L1: "FIXED IND 1UH 3.8A 33 MOHM SMD", Current Rating=3.8A, Manufacturer 1="Bourns Inc.", Manufacturer Part Number 1=SDR0403-1R0ML, Supplier Part Number 1=SDR0403-1R0MLCT-ND, Tolerance=?0%, Supplier 1=Digi-Key
Q1 Q2 Q3: "MOSFET N-CH 30V 2.2A SSOT3", Case/Package=TO-236-3, Continuous Drain Current (ID)=2.2A, Drain to Source Breakdown Voltage=30V, Drain to Source Resistance=65mR, Gate to Source Voltage (Vgs)=8V, Input Capacitance=300pF, Manufacturer="ON Semiconductor / Fairchild", Manufacturer Part Number=FDN337N, Max Operating Temperature=150°C, Max Power Dissipation=500mW, Min Operating Temperature=-55°C, Supplier Part Number 1=FDN337NCT-ND, Threshold Voltage=700mV, Category=MOSFETs, ComponentLink7Description=https://datasheet.ciiva.com/931/fdn337n-931877.pdf?src-supplier=Digi-Key, ComponentLink7URL=https://datasheet.ciiva.com/931/fdn337n-931877.pdf?src-supplier=Digi-Key, ComponentLink8Description=https://datasheet.ciiva.com/6037/fdn337n-6037720.pdf?src-supplier=Farnell, ComponentLink8URL=https://datasheet.ciiva.com/6037/fdn337n-6037720.pdf?src-supplier=Farnell, ComponentLink9Description=https://datasheet.ciiva.com/22681/220571-22681884.pdf?src-supplier=Element14, ComponentLink9URL=https://datasheet.ciiva.com/22681/220571-22681884.pdf?src-supplier=Element14, ComponentLink10Description=https://datasheet.ciiva.com/26144/fdn337n-26144222.pdf?src-supplier=Avnet+Europe, ComponentLink10URL=https://datasheet.ciiva.com/26144/fdn337n-26144222.pdf?src-supplier=Avnet+Europe, ComponentLink11Description=https://datasheet.ciiva.com/22655/220571-22655333.pdf?src-supplier=Element14, ComponentLink11URL=https://datasheet.ciiva.com/22655/220571-22655333.pdf?src-supplier=Element14, ComponentLink12Description=https://datasheet.ciiva.com/8115/fdn337n-8115063.pdf?src-supplier=Avnet, ComponentLink12URL=https://datasheet.ciiva.com/8115/fdn337n-8115063.pdf?src-supplier=Avnet, ComponentLink13Description=https://datasheet.ciiva.com/8115/fdn337n-8115069.pdf?src-supplier=Avnet, ComponentLink13URL=https://datasheet.ciiva.com/8115/fdn337n-8115069.pdf?src-supplier=Avnet, ComponentLink14Description=https://datasheet.ciiva.com/7968/220571-7968126.pdf?src-supplier=Element14, ComponentLink14URL=https://datasheet.ciiva.com/7968/220571-7968126.pdf?src-supplier=Element14, ComponentLink15Description=https://datasheet.ciiva.com/16931/fdn337n-16931214.pdf?src-supplier=Future+Electronics, ComponentLink15URL=https://datasheet.ciiva.com/16931/fdn337n-16931214.pdf?src-supplier=Future+Electronics, Contact Plating=Tin,Matte, Current Rating=2.2A, Drain to Source Voltage (Vdss)=30V, Dual Supply Voltage=30V, Element Configuration=Single, Fall Time=4ns, Height=0.94mm, Length=2.92mm, Mount="Surface Mount", Nominal Vgs=700mV, Number of Elements=1, Number of Pins=3, On-State Resistance=65mR, Power Dissipation=500mW, Rds On Max=65mR, REACH SVHC="No SVHC", Rise Time=10ns, Supplier 1=Digi-Key, Termination=SMD/SMT, Turn-Off Delay Time=17ns, Turn-On Delay Time=4ns, Voltage Rating (DC)=30V, Weight=0.03g, Width=3.05mm
R2 R4: library part RES_0¥Ø_0603, "RES 0 OHM JUMPER 1/10W 0603", Case Code (Imperial)=0603, Case Code (Metric)=1608, Manufacturer 1=Yageo, Manufacturer Part Number 1=RC0603JR-070RL, Package="0603 (1608 Metric)", Supplier Part Number 1=311-0.0GRCT-ND, Dimensions="0.063\" L x 0.031\" W (1.60mm x 0.80mm)", Mount="Surface Mount", Supplier 1=Digi-Key
R5 R6 R18: library part RES_1k¥Ø_0603_5%, "RES 1K OHM 5% 1/10W 0603", Case Code (Imperial)=0603, Case Code (Metric)=1608, Manufacturer 1=Yageo, Manufacturer Part Number 1=RC0603JR-071KL, Package="0603 (1608 Metric)", Supplier Part Number 1=311-1.0KGRCT-ND, Tolerance=5%, Dimensions="0.063\" L x 0.031\" W (1.60mm x 0.80mm)", Mount="Surface Mount", Supplier 1=Digi-Key
R7 R8 R9 R10 R11 R12 R13 R19 R20 R24: library part RES_10k¥Ø_0603_5%, "RES 10K OHM 5% 1/10W 0603", Case Code (Imperial)=0603, Case Code (Metric)=1608, Manufacturer 1=Yageo, Manufacturer Part Number 1=RC0603JR-0710KL, Package="0603 (1608 Metric)", Supplier Part Number 1=311-10KGRCT-ND, Tolerance=5%, Dimensions="0.063\" L x 0.031\" W (1.60mm x 0.80mm)", Mount="Surface Mount", Supplier 1=Digi-Key
R15 R17: library part RES_20¥Ø_0603_5%, "RES 20 OHM 5% 1/10W 0603", Case Code (Imperial)=0603, Case Code (Metric)=1608, Manufacturer 1=Yageo, Manufacturer Part Number 1=RC0603JR-0720RL, Package="0603 (1608 Metric)", Supplier Part Number 1=311-20GRCT-ND, Tolerance=5%, Dimensions="0.063\" L x 0.031\" W (1.60mm x 0.80mm)", Mount="Surface Mount", Supplier 1=Digi-Key
R16 R25 R26: library part RES_120¥Ø_0603_5%, "RES 120 OHM 5% 1/10W 0603", Case Code (Imperial)=0603, Case Code (Metric)=1608, Manufacturer 1=Yageo, Manufacturer Part Number 1=RC0603JR-07120RL, Package="0603 (1608 Metric)", Supplier Part Number 1=311-120GRCT-ND, Tolerance=5%, Dimensions="0.063\" L x 0.031\" W (1.60mm x 0.80mm)", Mount="Surface Mount", Supplier 1=Digi-Key
R21: library part RES_120¥Ø_0603, "RES SMD 120 OHM 5% 1/10W 0603", Case Code (Imperial)=0603, Case Code (Metric)=1608, Manufacturer 1=Yageo, Manufacturer Part Number 1=RC0603JR-07120RL, Package="0603 (1608 Metric)", Supplier Part Number 1=311-120GRCT-ND, Tolerance=5%, Dimensions="0.063\" L x 0.031\" W (1.60mm x 0.80mm)", Mount="Surface Mount", Supplier 1=Digi-Key
R22: library part RES_453k¥Ø_0603_1%, "RES 453K OHM 1% 1/10W 0603", Case Code (Imperial)=0603, Case Code (Metric)=1608, Manufacturer 1="Panasonic Electronic Components", Manufacturer Part Number 1=ERJ-3EKF4533V, Package="0603 (1608 Metric)", Supplier Part Number 1=P453KHCT-ND, Tolerance=1%, Dimensions="0.063\" L x 0.031\" W (1.60mm x 0.80mm)", Mount="Surface Mount", Supplier 1=Digi-Key
R23: library part RES_100k¥Ø_0603_1%, "RES 100K OHM 1% 1/10W 0603", Case Code (Imperial)=0603, Case Code (Metric)=1608, Case/Package=0805, Manufacturer 1=Yageo, Manufacturer 2=Vishay, Manufacturer Part Number 1=RC0603FR-07100KL, Manufacturer Part Number 2=CRCW080510K2FKEA, Max Operating Temperature=155°C, Max Power Dissipation=125mW, Min Operating Temperature=-55°C, Package="0603 (1608 Metric)", Resistance=10.2kR, Supplier Part Number 1=311-100KHRCT-ND, Temperature Coefficient=100ppm/°C, Tolerance=1%, Voltage Rating=150V, ComponentLink7Description=https://datasheet.ciiva.com/22702/1697337-22702902.pdf?src-supplier=Element14, ComponentLink7URL=https://datasheet.ciiva.com/22702/1697337-22702902.pdf?src-supplier=Element14, ComponentLink8Description=https://datasheet.ciiva.com/16204/dcrcwe3-16204135.pdf?src-supplier=Future+Electronics, ComponentLink8URL=https://datasheet.ciiva.com/16204/dcrcwe3-16204135.pdf?src-supplier=Future+Electronics, ComponentLink9Description=https://datasheet.ciiva.com/16852/dcrcwe3-16852825.pdf?src-supplier=Avnet+Europe, ComponentLink9URL=https://datasheet.ciiva.com/16852/dcrcwe3-16852825.pdf?src-supplier=Avnet+Europe, ComponentLink10Description=https://datasheet.ciiva.com/7663/1697337-7663915.pdf?src-supplier=Element14, ComponentLink10URL=https://datasheet.ciiva.com/7663/1697337-7663915.pdf?src-supplier=Element14, ComponentLink11Description=https://datasheet.ciiva.com/7663/1697337-7663916.pdf?src-supplier=Element14, ComponentLink11URL=https://datasheet.ciiva.com/7663/1697337-7663916.pdf?src-supplier=Element14, ComponentLink12Description=https://datasheet.ciiva.com/22674/1825492-22674606.pdf?src-supplier=Element14, ComponentLink12URL=https://datasheet.ciiva.com/22674/1825492-22674606.pdf?src-supplier=Element14, ComponentLink13Description=https://datasheet.ciiva.com/3258/dcrcwe3-3258031.pdf?src-supplier=Avnet, ComponentLink13URL=https://datasheet.ciiva.com/3258/dcrcwe3-3258031.pdf?src-supplier=Avnet, Composition="Thick Film", Contact Plating=Tin, Depth=1.25mm, Dimensions="0.063\" L x 0.031\" W (1.60mm x 0.80mm)", Features="Automotive AEC-Q200", Height=0.45mm, Length=2mm, Military Standard=Not, Mount="Surface Mount", Number of Pins=2, Number of Terminations=2, Power Rating=125mW, Pricing 2="1=0.10000, 10=0.06200, 100=0.02540, 1000=0.01142, 2500=0.00991 (USD)", REACH SVHC=Unknown, Stock 2=7147, Supplier 1=Digi-Key, Supplier 2=Digi-Key, Supplier Part Number 2=541-10.2KCCT-ND, Termination=SMD/SMT, Voltage Rating (DC)=150V, Weight=0.000194oz, Width=0.049inch, Working Voltage=150V
S1 S2: "Tactile Switch (Grey)", Manufacturer 1="Omron Electronics Inc-EMC Div", Manufacturer Part Number 1=B3U-1000P, Supplier Part Number 1=SW1020CT-ND, Mount="Surface Mount", Supplier 1=Digi-Key
TP1 TP2 TP10 TP11 TP12 TP13 TP14 TP15 TP16: "TESTPOINT 1MM CIRCLE"
TP3 TP4 TP6: "PC TEST POINT SMD", Color=Natural, Manufacturer 1=Harwin, Manufacturer Part Number 1=S1751-46R, Package Quantity=2500, Supplier Part Number 1=952-1478-1-ND, Category="Terminal Blocks", ComponentLink1Description=https://datasheet.ciiva.com:443/pdfs/VipMasterIC/IC/HRWN/HRWN-S-A0002541722/HRWN-S-A0004513972-1.pdf?src-supplier=IHS+Markit, ComponentLink1URL=https://datasheet.ciiva.com:443/pdfs/VipMasterIC/IC/HRWN/HRWN-S-A0002541722/HRWN-S-A0004513972-1.pdf?src-supplier=IHS+Markit, ComponentLink2Description=https://datasheet.ciiva.com/5224/2010page161-58228-5224784.pdf?src-supplier=Mouser, ComponentLink2URL=https://datasheet.ciiva.com/5224/2010page161-58228-5224784.pdf?src-supplier=Mouser, ComponentLink3Description=https://datasheet.ciiva.com/22631/1688119-22631153.pdf?src-supplier=Element14, ComponentLink3URL=https://datasheet.ciiva.com/22631/1688119-22631153.pdf?src-supplier=Element14, ComponentLink4Description=https://datasheet.ciiva.com/2917/s1751-2917604.pdf?src-supplier=Digi-Key, ComponentLink4URL=https://datasheet.ciiva.com/2917/s1751-2917604.pdf?src-supplier=Digi-Key, ComponentLink5Description=https://datasheet.ciiva.com/1462/1693781-1462652.pdf?src-supplier=Farnell, ComponentLink5URL=https://datasheet.ciiva.com/1462/1693781-1462652.pdf?src-supplier=Farnell, ComponentLink6Description=https://datasheet.ciiva.com/1454/1693781-1454941.pdf?src-supplier=Element14, ComponentLink6URL=https://datasheet.ciiva.com/1454/1693781-1454941.pdf?src-supplier=Element14, Contact Material="Copper,Copper Alloy", Contact Plating=Tin, Depth=2mm, Height=2mm, Length=3.25mm, Material="Brass,Copper Alloy", Mount="Surface Mount", Number of Contacts=1, Number of Ports=1, Orientation=Straight, Packaging="Tape and Reel", Plating=Tin, Pricing 1="1=0.29000, 10=0.27700, 25=0.23760, 50=0.20200, 100=0.19400, 250=0.17424, 500=0.16632, 1000=0.13860 (USD)", Radiation Hardening=No, REACH SVHC="No SVHC", RoHS=Yes, Stock 1=159143, Supplier 1=Digi-Key, Termination=Solder, Width=1.65mm
TP7 TP8 TP9: "TESTPOINT 1MM SQUARE"
U1 U2: library part LTC2875, "IC TXRX CAN 4MBPS 8SO", Manufacturer 1="Linear Technologies", Manufacturer Part Number 1=LTC2875IS8#PBF, Package="8-SOIC (0.154\", 3.90mm Width)", Supplier Part Number 1=LTC2875IS8#PBF-ND, Mount="Surface Mount", Supplier 1=Digi-Key